# Altium PCB Mainboard_gnd_bak.PcbDoc (part 2 of 2)
Units mm, origin at the board's own origin, x right, y up, seen from the top; angles counter-clockwise.
Board outline 200 x 58.2 mm, 2 copper layers (PWR, GND); 166 components, 194 nets, 633 pads, 65 vias.
Unrouted connection lines stored in the file: 19.
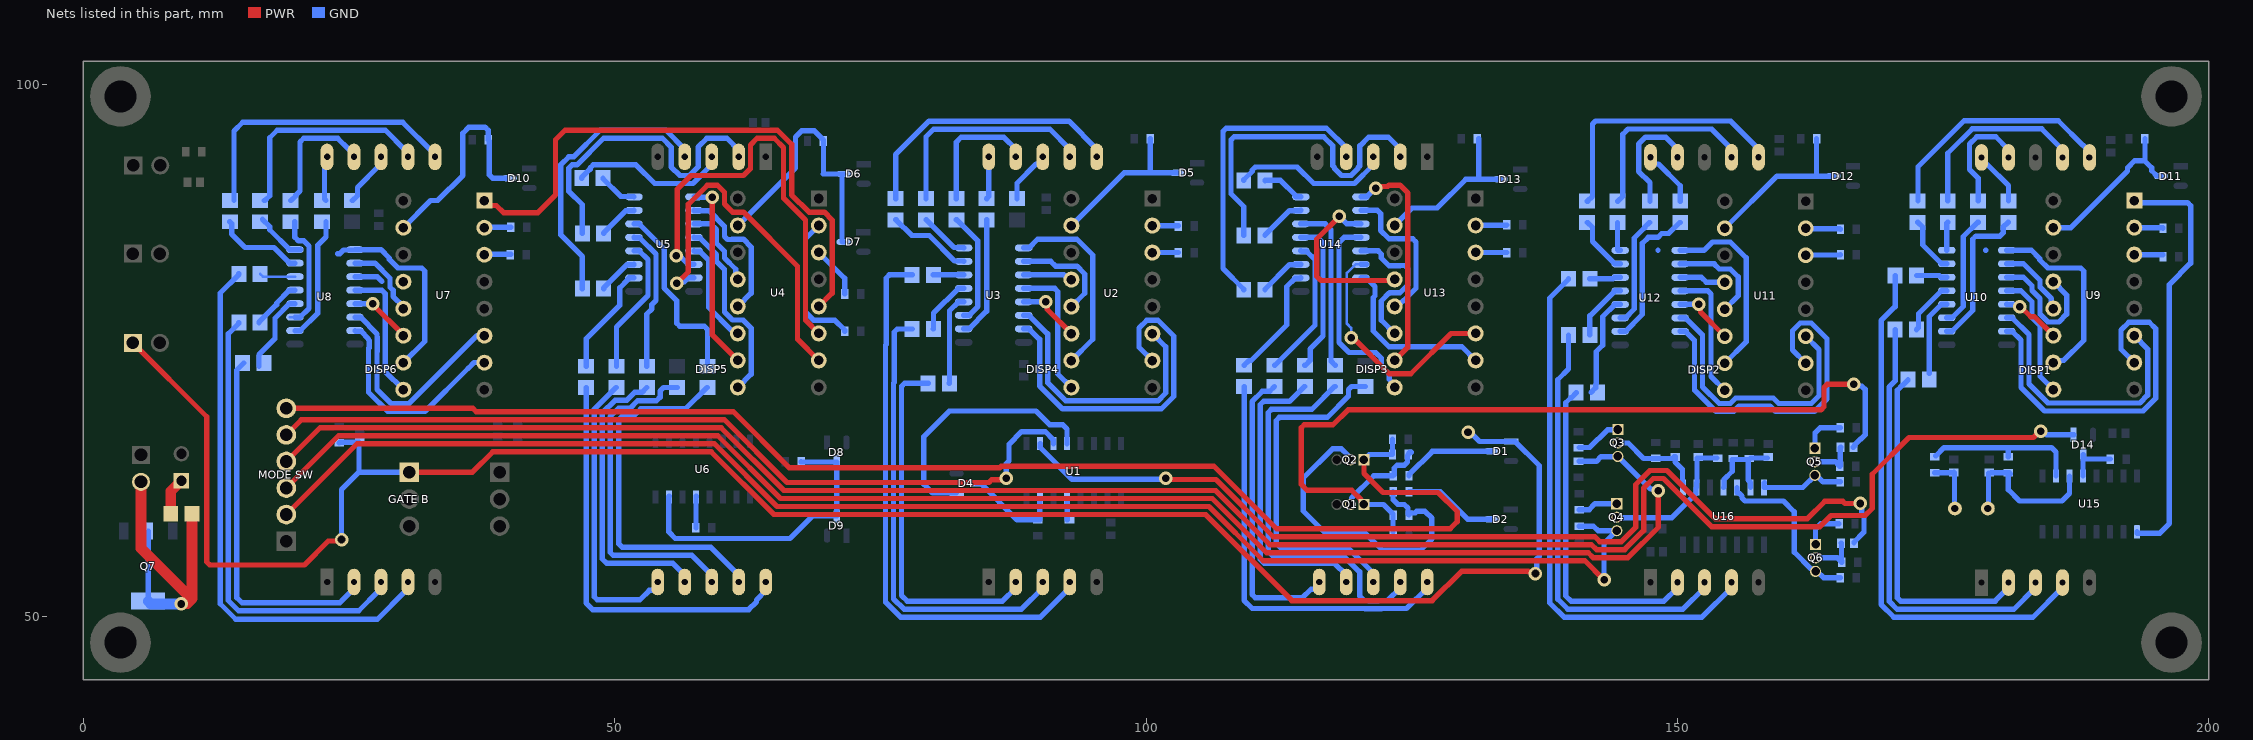
[diagram p2: the nets of this part, all layers, seen from the top]

## Via types
v1: diameter 1.27, hole 0.711, PWR to GND, 65 vias

## Nets (pads, with @x,y where several pads share a name; then routed paths per layer and width w, separated by ;. In a path a pad name is that pad's centre, name@x,y a point inside that pad or via, vN(x,y) a via of type N, cw(c..) or ccw(c..) an arc to the next point about the centre after c; other vN are vias at no path point) (continued)
"NetBramka B test_1": "B SW.1" "GATE B.1" C20.1 D1.1 R94.1 | length 185.8
  PWR w0.5: 4.67,75.7 11.618,68.752 11.618,55.093 11.911,54.8 20.8,54.8 23.053,57.053 24.153,57.053 v1(24.3,57.2) ; 30.68,63.54 36.627,63.54 38.541,65.454 59.081,65.454 64.981,59.554 105.612,59.554 113.72,51.446 126.926,51.446 129.68,54.2 135.971,54.2 136.024,54.147 136.502,54.147 v1(136.649,54)
  GND w0.5: R94.1@24.1,66.3 24.15,66.35 25.93,66.35 25.94,66.34 25.94,63.54 ; v1(24.3,57.2) 24.3,61.9 25.94,63.54 ; 30.68,63.54 25.94,63.54 ; v1(130.3,67.3) 130.489,67.3 131.374,66.415 D1.1@134.353,66.415 134.739,66.415 137.018,64.136 137.018,55.635 136.768,55.385 136.768,54.119 v1(136.649,54)
NetC1_1: C1.1 R69.1 U15.11 Y1.1 | length 14.9
  GND w0.5: Y1.1@179.217,60.117 179.28,60.18 C1.1@179.28,63.454 ; C1.1@179.511,63.482 R69.1@181.147,63.482 ; R69.1@181.347,63.367 181.232,63.482 181.147,63.397 181.147,61.88 182.21,60.817 186.19,60.817 186.9,61.527 U15.11@186.9,63.167
NetC2_1: C2.1 R70.2 Y1.2 | length 5.2
  GND w0.5: R70.2@174.217,63.467 174.242,63.492 175.999,63.492 C2.1@176.024,63.517 ; C2.1@176.071,63.471 176.071,60.163 Y1.2@176.117,60.117
NetC4_2: C4.2 Q5.2 R88.1 | length 4.6
  PWR w0.5: Q5.2@162.843,64.405 Q5.2@162.948,64.51
  GND w0.5: Q5.2@162.948,64.487 Q5.2@162.971,64.51 ; Q5.2@162.948,64.51 Q5.2@162.971,64.51 ; C4.2@165.362,65.887 165.328,65.853 165.328,64.114 R88.1@165.294,64.08 165.294,64.18 165.194,64.28 165.094,64.28 164.864,64.51 Q5.2@162.971,64.51
NetC5_1: C5.1 U1.2 | length 93.3
  PWR w0.5: v1(101.845,62.955) 101.945,62.855 106.577,62.855 111.97,57.462 142.237,57.462 142.698,57.001 144.726,57.001 146.071,58.346 146.071,62.348 147.416,63.693 149.007,63.693 153.539,59.161 162.236,59.161 163.875,60.8 165.565,60.8 165.776,60.589 v1(167.2,60.589)
  GND w0.5: U1.2@90.025,66.225 90.05,66.2 90.05,65.85 93.042,62.858 101.748,62.858 v1(101.845,62.955) ; C5.1@166.615,56.867 166.615,56.942 167.569,57.896 167.569,59.33 167.347,59.552 167.347,60.442 v1(167.2,60.589)
NetC5_2: C5.2 Q6.2 R84.1 | length 4.4
  GND w0.5: Q6.2@163.001,55.47 165.055,55.47 165.265,55.26 165.365,55.26 R84.1@165.44,55.185 ; C5.2@165.415,56.867 165.44,56.842 R84.1@165.44,55.185 ; R84.1@165.465,55.06 165.465,55.16 R84.1@165.44,55.185
NetC6_2: C6.2 R78.2 R81.1 U16.4 U16.6 | length 9.1
  GND w0.5: U16.4@154.343,62.094 154.393,62.144 154.393,62.855 155.161,63.623 155.161,64.723 R81.1@156.661,64.723 ; U16.6@156.883,62.094 156.883,62.569 156.661,62.791 R81.1@156.661,64.723 ; C6.2@158.465,64.873 156.911,64.873 156.761,64.723 R81.1@156.661,64.723
NetC7_2: C7.2 Q3.2 R79.2 U16.1 | length 9.2
  GND w0.5: Q3.2@144.4,66.281 145.378,66.281 146.83,64.83 149.567,64.83 149.721,64.984 C7.2@149.796,64.984 ; C7.2@149.671,64.884 149.796,64.759 149.796,64.487 150.483,63.8 U16.1@150.483,62.569 ; U16.1@150.533,62.094 U16.1@150.533,62.569
NetC8_2: C8.2 Q4.2 R83.2 U16.2 | length 13.7
  GND w0.5: Q4.2@144.3,59.3 144.34,59.26 149.487,59.26 151.753,61.526 151.753,62.044 U16.2@151.803,62.094 151.803,62.569 151.853,62.619 151.853,64.873 R83.2@153.738,64.873
NetD3_1: D3.1 R92.1 | length 3.5
  PWR w1: R92.1@8.23,59.621 8.23,61.73 D3.1@9.23,62.73
NetD4_1: D4.1 U1.4 | length 24.4
  GND w0.5: D4.1@82.173,61.585 79.915,61.585 79.1,62.4 79.1,66.9 81.5,69.3 89.636,69.3 90.952,67.984 92.181,67.984 92.565,67.6 U1.4@92.565,66.225
NetD4_3: D4.3 R2.1 U1.15 | length 9.7
  GND w0.5: D4.3@84.027,62.5 84.413,62.5 87.863,59.05 90,59.05 90.012,59.062 90.012,60.625 90.012,60.962 U1.15@90.025,60.975 U1.15@90.025,60.625
NetD5_3: D5.3 R11.1 U2.15 | length 15.2
  GND w0.5: U2.15@92.98,86.74 97.94,91.7 100.444,91.7 ; R11.1@100.4,94.9 100.4,91.744 100.444,91.7 ; D5.3@102.949,91.7 100.444,91.7
NetD6_3: D6.3 D7.3 R21.1 U4.15 | length 25.5
  GND w0.5: U4.15@61.59,86.75 67.016,92.176 67.016,95.078 67.591,95.654 68.796,95.654 69.65,94.8 69.65,91.6 ; 69.6,91.6 D6.3@71.573,91.6 ; D6.3@71.44,91.6 71.4,91.56 71.4,85.24 71.44,85.2 D7.3@71.559,85.2
NetD8_3: D8.3 D9.3 R26.1 U6.15 | length 28.7
  GND w0.5: U6.15@55.125,61.275 55.1,61.25 55.1,57.9 55.7,57.3 66.5,57.3 68.627,59.427 D9.3@70.9,59.427 D8.3@70.9,64.473 70.887,64.487 67.563,64.487 R26.1@67.55,64.5 R26.1@67.538,64.512
NetD10_3: D10.3 R35.1 U7.15 | length 20.2
  GND w0.5: U7.15@30.123,86.54 32.683,89.1 33.344,89.1 35.712,91.468 35.712,95.431 36.281,96 37.801,96 38.093,95.707 R35.1@38.093,94.8 ; R35.1@38.193,94.696 38.193,94.323 38.21,94.307 38.21,91.493 38.503,91.2 D10.3@39.867,91.2
NetD11_3: D11.3 R45.1 U9.15 | length 15.7
  GND w0.5: U9.15@185.38,86.547 187.024,86.547 192.361,91.884 192.361,92.172 193.028,92.839 193.972,92.839 194.639,92.172 194.639,91.899 195.138,91.4 D11.3@195.5,91.4 ; 194,92.811 R45.1@194,94.9
NetD12_3: D12.3 R55.1 U11.15 | length 15.7
  GND w0.5: U11.15@154.461,86.485 159.37,91.394 163.1,91.394 ; R55.1@163.1,94.9 163.1,91.394 ; D12.3@164.668,91.394 163.1,91.394
NetD13_3: D13.3 R65.1 U13.15 | length 15.6
  GND w0.5: U13.15@123.39,86.75 125.04,88.4 127.4,88.4 130.1,91.1 131.3,91.1 ; R65.1@131.3,94.9 131.3,91.1 ; D13.3@133.359,91.1 131.3,91.1
NetD14_1: "MODE SW.4" D14.1 | length 187
  PWR w0.5: 19.1,64.546 22.27,67.716 60.018,67.716 65.918,61.816 106.549,61.816 111.657,56.708 141.925,56.708 142.386,56.247 145.039,56.247 146.825,58.034 146.825,62.036 147.728,62.939 148.695,62.939 153.227,58.407 163.407,58.407 164.45,59.45 167.672,59.45 168.339,60.117 168.339,63.339 171.8,66.8 183.51,66.8 184.116,67.407 v1(184.188,67.407)
  GND w0.5: v1(184.188,67.407) 184.396,67.407 184.749,67.054 D14.1@187.285,67.054
NetD14_3: D14.3 R71.1 U15.12 | length 4.8
  GND w0.5: U15.12@188.17,63.167 D14.3@188.17,64.983 ; D14.3@188.2,65.201 188.2,64.838 188.267,64.771 R71.1@190.754,64.771
NetDISP1_2: DISP1.2 R41.2 | length 32.7
  GND w0.5: R41.2@171.7,72.247 171.7,72.197 171.25,71.747 171.2,71.747 170.7,71.247 170.7,51.693 170.998,51.395 179.424,51.395 179.429,51.4 179.903,51.4 181.13,52.627 DISP1.2@181.13,53.277
NetDISP1_3: DISP1.3 R40.2 | length 41.3
  GND w0.5: R40.2@170.496,76.947 170.496,72.109 169.931,71.544 169.931,51.396 170.685,50.641 181.685,50.641 183.67,52.627 DISP1.3@183.67,53.277
NetDISP1_4: DISP1.4 R39.2 | length 50.8
  GND w0.5: R39.2@170.496,82.047 170.496,79.109 169.177,77.791 169.177,51.083 170.373,49.887 183.471,49.887 186.21,52.627 DISP1.4@186.21,53.277
NetDISP1_6: DISP1.6 R38.2 | length 22.8
  GND w0.5: R38.2@172.641,89.047 172.641,92.275 176.974,96.608 185.838,96.608 188.168,94.277 188.233,94.277 188.75,93.761 DISP1.6@188.75,93.277
NetDISP1_7: DISP1.7 R37.2 | length 17.7
  GND w0.5: R37.2@175.446,89.047 175.446,93.546 177.754,95.854 184.283,95.854 186.21,93.927 DISP1.7@186.21,93.277
NetDISP1_9: DISP1.9 R42.2 | length 10.8
  GND w0.5: R42.2@178.3,89.047 178.3,91.2 177.486,92.014 177.486,94.407 178.179,95.1 179.957,95.1 181.13,93.927 DISP1.9@181.13,93.277
NetDISP1_10: DISP1.10 R43.2 | length 5.4
  GND w0.5: DISP1.10@178.59,93.277 178.59,92.816 178.913,92.493 179.158,92.493 181.154,90.497 R43.2@181.154,89.047
NetDISP2_2: DISP2.2 R51.2 | length 31.4
  GND w0.5: R51.2@140.471,71.035 140.471,70.985 140.021,70.535 139.971,70.535 139.5,70.064 139.5,51.9 140,51.4 148.74,51.4 150.002,52.662 DISP2.2@150.002,53.312
NetDISP2_3: DISP2.3 R50.2 | length 40.9
  GND w0.5: R50.2@139.763,76.435 139.763,73.254 138.746,72.237 138.746,51.588 139.688,50.646 150.526,50.646 152.542,52.662 DISP2.3@152.542,53.312
NetDISP2_4: DISP2.4 R49.2 | length 50.7
  GND w0.5: R49.2@139.763,81.735 139.763,81.685 137.992,79.914 137.992,51.238 139.338,49.892 152.312,49.892 155.082,52.662 DISP2.4@155.082,53.312
NetDISP2_6: DISP2.6 R48.2 | length 24.9
  GND w0.5: R48.2@141.509,89.035 141.559,89.035 142.009,89.485 142.009,96.281 142.302,96.574 155.01,96.574 157.622,93.962 DISP2.6@157.622,93.312
NetDISP2_7: DISP2.7 R47.2 | length 18.4
  GND w0.5: R47.2@144.363,89.035 144.413,89.035 144.863,89.485 144.863,95.327 145.356,95.82 153.224,95.82 155.082,93.962 DISP2.7@155.082,93.312
NetDISP2_9: DISP2.9 R52.2 | length 10.8
  GND w0.5: R52.2@147.417,89.035 147.417,90.783 146.358,91.842 146.358,94.419 147.005,95.066 148.898,95.066 150.002,93.962 DISP2.9@150.002,93.312
NetDISP2_10: DISP2.10 R53.2 | length 5.7
  GND w0.5: DISP2.10@147.462,93.312 147.462,92.852 147.785,92.528 148.229,92.528 150.271,90.485 R53.2@150.271,89.035
NetDISP3_2: DISP3.2 R58.2 | length 32
  GND w0.5: R58.2@109.2,85.8 109.2,88.527 107.996,89.731 107.996,94.807 108.289,95.1 116.72,95.1 117.578,94.241 117.578,92.359 117.744,92.193 117.744,92.093 118.391,91.446 119.306,91.446 119.952,92.093 119.952,92.193 120.118,92.359 120.118,94.241 120.931,95.054 122.824,95.054 123.928,93.95 DISP3.2@123.928,93.3
NetDISP3_3: DISP3.3 R57.2 | length 15
  GND w0.5: R57.2@109.2,91 109.2,91.05 109.996,91.846 109.996,91.959 110.291,92.254 114.224,92.254 115.786,90.692 119.618,90.692 121.388,92.462 DISP3.3@121.388,93.3
NetDISP3_4: DISP3.4 R62.2 | length 28.9
  GND w0.5: R62.2@109.2,80.7 109.2,80.75 107.242,82.708 107.242,95.604 107.535,95.896 116.989,95.896 118.848,94.038 DISP3.4@118.848,93.3
NetDISP3_6: DISP3.6 R61.2 | length 28.2
  GND w0.5: R61.2@112.091,71.6 111.641,71.15 110.95,71.15 109.991,70.191 109.991,52.026 110.284,51.733 114.741,51.733 115.524,52.516 115.985,52.516 116.308,52.839 DISP3.6@116.308,53.3
NetDISP3_7: DISP3.7 R60.2 | length 28.7
  GND w0.5: R60.2@114.946,71.6 114.896,71.6 113.496,70.2 111.066,70.2 110.745,69.879 110.745,55.347 111.138,54.954 117.744,54.954 118.848,53.85 DISP3.7@118.848,53.3
NetDISP3_8: DISP3.8 R68.2 | length 32.7
  GND w0.5: R68.2@120.654,71.6 119.347,71.6 119.054,71.307 119.054,70.691 117.055,68.692 112.546,68.692 112.253,68.399 112.253,56.855 112.646,56.462 118.964,56.462 121.388,54.038 DISP3.8@121.388,53.3
NetDISP3_9: DISP3.9 R59.2 | length 37.2
  GND w0.5: R59.2@117.8,71.6 117.75,71.6 115.596,69.446 111.792,69.446 111.499,69.153 111.499,56.101 111.892,55.708 118.552,55.708 120.1,54.16 120.1,51.893 120.539,51.454 120.923,51.454 120.931,51.446 121.846,51.446 121.854,51.454 122.732,51.454 123.928,52.65 DISP3.9@123.928,53.3
NetDISP3_10: DISP3.10 R63.2 | length 39.1
  GND w0.5: R63.2@109.237,71.6 109.237,51.463 110,50.7 120.611,50.7 120.619,50.692 122.158,50.692 122.166,50.7 124.518,50.7 126.468,52.65 DISP3.10@126.468,53.3
NetDISP4_2: DISP4.2 R7.2 | length 34.4
  GND w0.5: R7.2@79.5,71.9 77.293,71.9 77,71.607 77,51.933 77.533,51.4 86.49,51.4 87.74,52.65 DISP4.2@87.74,53.3
NetDISP4_3: DISP4.3 R6.2 | length 42.8
  GND w0.5: R6.2@77.991,77 76.607,77 76.314,76.707 76.314,71.988 76.246,71.919 76.246,51.62 77.22,50.646 88.276,50.646 90.28,52.65 DISP4.3@90.28,53.3
NetDISP4_4: DISP4.4 R5.2 | length 52.8
  GND w0.5: R5.2@77.991,82.1 75.853,82.1 75.56,81.807 75.56,75.565 75.492,75.497 75.492,51.308 76.908,49.892 90.062,49.892 92.82,52.65 DISP4.4@92.82,53.3
NetDISP4_6: DISP4.6 R4.2 | length 26.1
  GND w0.5: R4.2@76.444,89.274 76.446,89.277 76.446,93.412 79.596,96.562 92.748,96.562 95.36,93.95 DISP4.6@95.36,93.3
NetDISP4_7: DISP4.7 R3.2 | length 21.1
  GND w0.5: R3.2@79.298,89.274 79.298,95.098 80.008,95.808 85.97,95.808 85.978,95.8 90.97,95.8 92.82,93.95 DISP4.7@92.82,93.3
NetDISP4_8: DISP4.8 R23.2 | length 5.2
  GND w0.5: R23.2@87.861,89.274 87.861,90.724 89.653,92.516 89.957,92.516 90.28,92.839 DISP4.8@90.28,93.3
NetDISP4_9: DISP4.9 R8.2 | length 12.2
  GND w0.5: R8.2@82.152,89.274 82.152,94.607 82.599,95.054 85.657,95.054 85.665,95.046 86.644,95.046 87.74,93.95 DISP4.9@87.74,93.3
NetDISP4_10: DISP4.10 R9.2 | length 4.1
  GND w0.5: R9.2@85.006,89.274 85.2,89.468 DISP4.10@85.2,93.3
NetDISP5_2: DISP5.2 R14.2 | length 30
  GND w0.5: R14.2@46.962,86 46.962,88.696 45.696,89.962 45.696,92.159 45.991,92.454 46.456,92.454 48.956,94.954 54.509,94.954 55.322,94.141 55.322,92.259 56.134,91.446 57.049,91.446 57.862,92.259 57.862,94.141 58.674,94.954 60.568,94.954 61.672,93.85 DISP5.2@61.672,93.2
NetDISP5_3: DISP5.3 R13.2 | length 15
  GND w0.5: R13.2@46.9,91.2 46.9,91.25 47.696,92.046 47.696,92.159 47.991,92.454 52.016,92.454 53.778,90.692 57.361,90.692 59.132,92.462 DISP5.3@59.132,93.2
NetDISP5_4: DISP5.4 R18.2 | length 27
  GND w0.5: R18.2@46.962,80.8 46.962,83.837 44.942,85.857 44.942,92.471 45.679,93.208 46.144,93.208 48.644,95.708 54.821,95.708 56.592,93.938 DISP5.4@56.592,93.2
NetDISP5_6: DISP5.6 R17.2 | length 27.6
  GND w0.5: R17.2@50.171,71.5 50.121,71.5 48.07,69.45 48.07,51.822 48.363,51.529 52.381,51.529 53.268,52.416 53.728,52.416 54.052,52.739 DISP5.6@54.052,53.2
NetDISP5_7: DISP5.7 R16.2 | length 28
  GND w0.5: R16.2@53.025,71.5 52.575,71.05 51.884,71.05 51.13,70.296 50.033,70.296 48.824,69.087 48.824,55.393 49.263,54.954 55.488,54.954 56.592,53.85 DISP5.7@56.592,53.2
NetDISP5_8: DISP5.8 R24.2 | length 31.6
  GND w0.5: R24.2@55.879,71.5 54.6,71.5 54.279,71.179 54.279,70.591 53.942,70.254 52.154,70.254 51.442,69.542 50.365,69.542 49.578,68.756 49.578,56.001 49.871,55.708 57.274,55.708 59.132,53.85 DISP5.8@59.132,53.2
NetDISP5_9: DISP5.9 R15.2 | length 34.4
  GND w0.5: R15.2@58.734,71.5 58.684,71.5 56.684,69.5 52.466,69.5 51.754,68.788 50.693,68.788 50.4,68.495 50.4,56.778 50.693,56.485 59.037,56.485 61.672,53.85 DISP5.9@61.672,53.2
NetDISP5_10: DISP5.10 R19.2 | length 39.1
  GND w0.5: R19.2@47.316,71.5 47.316,51.216 47.933,50.6 62.607,50.6 63.342,51.335 63.342,51.51 64.212,52.379 DISP5.10@64.212,53.2
NetDISP6_2: DISP6.2 R31.2 | length 34.4
  GND w0.5: R31.2@15.1,73.8 14.443,73.143 14.443,51.733 14.93,51.246 24.139,51.246 24.451,51.558 25.243,52.35 DISP6.2@25.243,53
NetDISP6_3: DISP6.3 R30.2 | length 42.5
  GND w0.5: R30.2@14.643,77.6 14.643,77.55 13.643,76.55 13.643,71 13.639,70.751 13.639,51.47 13.786,51.324 14.618,50.492 25.925,50.492 27.783,52.35 DISP6.3@27.783,53
NetDISP6_4: DISP6.4 R29.2 | length 51.6
  GND w0.5: R29.2@14.643,82.2 14.643,82.15 12.885,80.392 12.885,51.158 14.343,49.7 27.673,49.7 30.323,52.35 DISP6.4@30.323,53
NetDISP6_6: DISP6.6 R28.2 | length 27.4
  GND w0.5: R28.2@14.189,89.1 14.189,95.646 15.005,96.462 30.051,96.462 32.863,93.65 DISP6.6@32.863,93
NetDISP6_7: DISP6.7 R27.2 | length 20.8
  GND w0.5: R27.2@17.043,89.1 17.093,89.1 17.543,89.55 17.543,95 18.251,95.708 28.435,95.708 30.323,93.82 DISP6.7@30.323,93
NetDISP6_8: DISP6.8 R67.2 | length 5
  GND w0.5: R67.2@25.298,89.1 25.348,89.1 25.798,89.55 25.798,90.328 27.791,92.321 DISP6.8@27.791,92.992
NetDISP6_9: DISP6.9 R32.2 | length 12.2
  GND w0.5: R32.2@19.498,89.1 19.548,89.1 19.998,89.55 19.998,89.6 20.398,90 20.398,94.607 20.745,94.954 23.939,94.954 24.91,93.984 25.157,93.984 25.243,93.897 DISP6.9@25.243,93
NetDISP6_10: DISP6.10 R33.2 | length 4
  GND w0.5: DISP6.10@22.703,93 22.703,89.24 R33.2@22.843,89.1
"NetPrelacznik trybu_2": "MODE SW.2" Q4.3 R85.1 | length 140.9
  PWR w0.5: 19.1,59.546 25.762,66.208 59.393,66.208 65.293,60.308 105.925,60.308 111.033,55.2 141.3,55.2 v1(143.1,53.4)
  GND w0.5: R85.1@140.774,58.45 142.11,58.45 142.53,58.03 Q4.3@144.3,58.03 143.1,56.83 v1(143.1,53.4)
"NetPrelacznik trybu_3": "MODE SW.3" Q3.3 R82.1 | length 149.5
  PWR w0.5: 19.1,62.046 24.016,66.962 59.705,66.962 65.605,61.062 106.237,61.062 111.345,55.954 141.612,55.954 142.073,55.493 145.351,55.493 148.2,58.342 v1(148.2,61.8)
  GND w0.5: R82.1@140.771,64.55 140.971,64.55 142.381,64.55 142.827,64.996 144.385,64.996 Q3.3@144.4,65.011 147.464,61.947 148.053,61.947 v1(148.2,61.8)
"NetPrelacznik trybu_5": "MODE SW.5" U1.3 | length 79.6
  PWR w0.5: 19.1,67.046 20.524,68.47 60.33,68.47 66.23,62.57 85.209,62.57 85.459,62.82 86.709,62.82 v1(86.844,62.955)
  GND w0.5: v1(86.844,62.955) 86.85,62.961 86.85,64.34 87.1,64.59 87.1,66.154 88.3,67.354 90.516,67.354 91.295,66.575 U1.3@91.295,66.225
NetQ1_2: Q1.2 R74.1 R76.2 | length 8.8
  GND w0.5: Q1.2@119.23,60.5 119.335,60.605 119.335,61.098 121.437,63.2 R76.2@123.25,63.2 123.35,63.3 123.35,63.907 123.643,64.2 124.307,64.2 124.6,64.493 124.6,65.103 R74.1@124.697,65.2 124.697,65.3 124.797,65.4 R74.1@124.955,65.4
NetQ2_2: Q2.2 R75.2 R77.2 | length 31
  GND w0.5: Q2.2@119.242,64.7 119.242,64.849 119.001,65.09 119.001,65.126 118.399,65.729 117.546,65.729 114.8,62.983 114.8,59.9 116.73,57.97 120.482,57.97 122.26,56.192 125.853,56.192 126.9,57.239 126.9,59.207 126.253,59.854 125.488,59.854 125.334,59.7 124.85,59.7 124.75,59.6 R75.2@124.75,59.5 124.65,59.6 124.65,60.15 124.3,60.5 123.7,60.5 123.25,60.95 R77.2@123.25,61.7
NetQ3_1: Q3.1 R86.2 | length 4.3
  GND w0.5: R86.2@140.771,65.85 141.748,65.85 143.418,67.52 144.369,67.52 Q3.1@144.4,67.551
NetQ4_1: Q4.1 R90.2 | length 3.8
  GND w0.5: R90.2@140.774,60.004 141.698,60.004 142.264,60.57 Q4.1@144.3,60.57
NetQ5_1: Q5.1 R80.2 | length 4
  GND w0.5: Q5.1@162.948,65.78 162.948,67.239 163.415,67.706 R80.2@165.315,67.706
NetQ5_3: Q5.3 R87.1 U16.7 | length 8.2
  GND w0.5: U16.7@158.203,62.54 158.153,62.49 U16.7@158.153,62.094 161.802,62.094 Q5.3@162.948,63.24 ; Q5.3@163.119,63.217 163.711,62.626 R87.1@165.315,62.626
NetQ6_1: Q6.1 R89.2 | length 3.9
  GND w0.5: Q6.1@163.001,56.74 163.001,58.192 163.481,58.672 R89.2@165.215,58.672
NetQ6_3: Q6.3 R91.1 U16.5 | length 15.8
  GND w0.5: U16.5@155.613,62.094 155.613,61.619 155.663,61.569 155.786,61.569 156.079,61.276 156.079,61.11 156.374,60.815 159.985,60.815 161,59.8 161,56.015 162.574,54.441 162.611,54.441 162.852,54.2 Q6.3@163.001,54.2 163.149,54.2 163.744,53.606 R91.1@165.315,53.606
NetQ7_2: PWR.2 Q7.2 Q7.4 R92.2 | length 31.6
  PWR w1: PWR.2@5.43,62.63 5.43,56.37 9.95,51.85 ; v1(9.232,51.132) 9.284,51.184 9.771,51.184 10.23,51.643 R92.2@10.23,59.621
  GND w0.5: Q7.4@6.101,51.401 Q7.2@6.101,57.999
  GND w1: Q7.4@6.1,51.4 6.368,51.132 v1@9.159,51.132
NetR1_1: R1.1 U1.13 | length 2.3
  GND w0.5: U1.13@92.565,60.625 U1.13@92.565,60.975 92.582,60.957 92.582,59.067 R1.1@92.6,59.05
NetR3_1: R3.1 U3.16 | length 4.6
  GND w0.5: R3.1@79.298,87.274 79.348,87.274 81.949,84.674 82.817,84.674 U3.16@82.846,84.645
NetR4_1: R4.1 U3.15 | length 8
  GND w0.5: R4.1@76.444,87.274 76.494,87.274 77.968,85.8 79.6,85.8 81.996,83.404 82.817,83.404 U3.15@82.846,83.375
NetR5_1: R5.1 U3.14 | length 2.9
  GND w0.5: R5.1@79.991,82.1 79.996,82.105 U3.14@82.846,82.105
NetR6_1: R6.1 U3.13 | length 5.3
  GND w0.5: R6.1@79.991,77 80.011,77.019 80.011,78.5 82.346,80.835 U3.13@82.846,80.835
NetR7_1: R7.1 U3.12 | length 8.5
  GND w0.5: R7.1@81.5,71.9 81.509,71.909 81.509,78.728 82.346,79.565 U3.12@82.846,79.565
NetR8_1: R8.1 U3.11 | length 10.7
  GND w0.5: R8.1@82.152,87.274 82.202,87.274 84.175,85.302 84.175,79.124 83.346,78.295 U3.11@82.846,78.295
NetR9_1: R9.1 U3.10 | length 11.4
  GND w0.5: U3.10@82.846,77.025 83.346,77.025 85.006,78.686 R9.1@85.006,87.274
NetR10_1: R10.1 U2.2 | length 2.5
  GND w0.5: U2.2@100.6,86.74 100.62,86.72 103.03,86.72 R10.1@103.05,86.7
NetR12_1: R12.1 U2.3 | length 2.5
  GND w0.5: U2.3@100.6,84.2 R12.1@103.05,84.2
NetR13_1: R13.1 U5.16 | length 3.7
  GND w0.5: R13.1@48.9,91.2 48.9,91.15 50.581,89.469 51.788,89.469 U5.16@51.816,89.44
NetR14_1: R14.1 U5.15 | length 3.8
  GND w0.5: R14.1@48.962,86 48.962,86.05 51.054,88.141 51.788,88.141 U5.15@51.816,88.17
NetR15_1: R15.1 U5.14 | length 17.9
  GND w0.5: U5.14@51.816,86.9 52.316,86.9 54.653,84.563 54.653,80.875 55.839,79.689 55.839,77.559 56.132,77.266 58.441,77.266 58.734,76.974 R15.1@58.734,73.5
NetR16_1: R16.1 U5.13 | length 13.6
  GND w0.5: U5.13@51.816,85.63 51.865,85.581 52.365,85.581 53.899,84.047 53.899,82.594 53.899,79.699 53.5,79.3 53.5,78.886 53.025,78.411 R16.1@53.025,73.5
NetR17_1: R17.1 U5.12 | length 12.9
  GND w0.5: R17.1@50.171,73.5 50.171,77.204 53.145,80.179 53.145,83.531 52.316,84.36 U5.12@51.816,84.36
NetR18_1: R18.1 U5.11 | length 3.8
  GND w0.5: R18.1@48.962,80.8 48.962,80.85 51.174,83.061 51.788,83.061 U5.11@51.816,83.09
NetR19_1: R19.1 U5.10 | length 10.5
  GND w0.5: R19.1@47.316,73.5 47.316,76.083 50.487,79.254 50.487,80.893 51.241,81.647 51.241,81.704 51.357,81.82 U5.10@51.816,81.82
NetR20_1: R20.1 U4.2 | length 13.4
  GND w0.5: U4.2@69.21,86.479 U4.2@69.21,86.75 67.956,85.496 67.956,78.611 68.723,77.844 70.706,77.844 71.65,76.9 R20.1@71.65,76.8
NetR22_1: R22.1 U4.3 | length 4.9
  GND w0.5: U4.3@69.21,84.21 71.65,81.77 R22.1@71.65,80.3
NetR25_1: R25.1 U6.13 | length 3
  GND w0.5: R25.1@57.65,58.3 57.658,58.307 57.658,61.197 U6.13@57.665,61.204 U6.13@57.665,61.275
NetR27_1: R27.1 U8.16 | length 4.9
  GND w0.5: R27.1@16.868,87.325 17.543,86.65 17.543,86.346 19.418,84.471 U8.16@19.918,84.471 U8.16@20.418,84.471
NetR28_1: R28.1 U8.15 | length 8.3
  GND w0.5: R28.1@13.789,87.1 13.957,86.932 13.957,85.943 15.223,84.677 17.942,84.677 19.418,83.201 U8.15@19.918,83.201
NetR29_1: R29.1 U8.14 | length 3.4
  GND w0.254: R29.1@16.643,82.2 16.913,81.931 U8.14@19.918,81.931
NetR30_1: R30.1 U8.13 | length 4.8
  GND w0.5: R30.1@16.543,77.6 16.543,77.65 18.192,79.298 18.192,79.434 19.418,80.661 U8.13@19.918,80.661
NetR31_1: R31.1 U8.12 | length 7.4
  GND w0.5: R31.1@16.543,73.5 R31.1@16.543,74.4 ; 16.543,74.6 18.043,76.1 18.043,78.016 19.418,79.391 U8.12@19.918,79.391
NetR32_1: R32.1 U8.11 | length 11.2
  GND w0.254: U8.11@19.418,78.121 U8.11@19.918,78.121
  GND w0.5: R32.1@19.898,87.1 19.898,85.65 20.248,85.3 20.762,85.3 21.247,84.814 21.247,78.95 20.418,78.121 U8.11@19.918,78.121
NetR33_1: R33.1 U8.10 | length 11.8
  GND w0.5: U8.10@19.918,76.851 20.418,76.851 22.05,78.483 22.05,84.884 22.843,85.677 R33.1@22.843,87.1
NetR34_1: R34.1 U7.2 | length 2.5
  GND w0.5: U7.2@37.743,86.54 37.773,86.57 40.213,86.57 R34.1@40.243,86.6
NetR36_1: R36.1 U7.3 | length 2.5
  GND w0.5: U7.3@37.743,84 37.793,84.05 R36.1@40.243,84.05
NetR37_1: R37.1 U10.16 | length 2.7
  GND w0.5: U10.16@175.35,84.417 175.35,86.951 R37.1@175.446,87.047
NetR38_1: R38.1 U10.15 | length 5.4
  GND w0.5: R38.1@172.591,87.047 172.641,87.047 173.091,86.597 173.091,84.906 174.85,83.147 U10.15@175.35,83.147
NetR39_1: R39.1 U10.14 | length 2.9
  GND w0.5: R39.1@172.496,82.047 174.64,82.047 174.809,81.877 U10.14@175.35,81.877
NetR40_1: R40.1 U10.13 | length 5.1
  GND w0.5: R40.1@172.496,76.947 172.689,77.14 172.689,78.447 174.85,80.607 U10.13@175.35,80.607
NetR41_1: R41.1 U10.12 | length 7.5
  GND w0.5: R41.1@173.7,72.846 173.7,78.187 174.85,79.337 U10.12@175.35,79.337
NetR42_1: R42.1 U10.11 | length 10.5
  GND w0.5: U10.11@175.35,78.067 175.85,78.067 176.9,79.117 176.9,85.697 178.25,87.047 R42.1@178.3,87.047
NetR43_1: R43.1 U10.10 | length 14.3
  GND w0.5: U10.10@175.35,76.797 175.85,76.797 177.8,78.747 177.8,85.454 178.093,85.747 180.361,85.747 180.654,86.04 180.654,86.597 181.104,87.047 R43.1@181.154,87.047
NetR44_1: R44.1 U9.2 | length 2.7
  GND w0.5: U9.2@193,86.547 193.023,86.523 195.677,86.523 R44.1@195.7,86.5
NetR46_1: R46.1 U9.3 | length 2.7
  GND w0.5: U9.3@193.02,84.027 U9.3@193,84.007 193.003,84.003 195.697,84.003 R46.1@195.7,84
NetR47_1: R47.1 U12.16 | length 2.8
  GND w0.5: R47.1@144.363,87.035 144.363,84.475 144.432,84.406 U12.16@144.617,84.406
NetR48_1: R48.1 U12.15 | length 5.5
  GND w0.5: R48.1@141.509,87.035 141.559,87.035 142.009,86.585 142.009,85.245 144.117,83.136 U12.15@144.617,83.136
NetR49_1: R49.1 U12.14 | length 2.9
  GND w0.5: R49.1@141.763,81.735 143.946,81.735 144.077,81.866 U12.14@144.617,81.866
NetR50_1: R50.1 U12.13 | length 5.6
  GND w0.5: R50.1@141.763,76.435 141.763,78.242 144.117,80.596 U12.13@144.617,80.596
NetR51_1: R51.1 U12.12 | length 9.7
  GND w0.5: R51.1@141.871,71.035 142.321,71.485 142.321,71.778 142.371,71.828 142.371,74.881 142.98,75.49 142.98,78.189 144.117,79.326 U12.12@144.617,79.326
NetR52_1: R52.1 U12.11 | length 10.5
  GND w0.5: U12.11@144.617,78.056 145.117,78.056 145.946,78.885 145.946,85.564 146.917,86.535 146.917,86.585 147.367,87.035 R52.1@147.417,87.035
NetR53_1: R53.1 U12.10 | length 13.8
  GND w0.5: U12.10@144.617,76.786 145.117,76.786 146.7,78.369 146.7,85.064 147.271,85.635 148.18,85.635 148.534,85.989 149.175,85.989 150.221,87.035 R53.1@150.271,87.035
NetR54_1: R54.1 U11.2 | length 3.3
  GND w0.5: U11.2@162.081,86.485 162.124,86.443 165.307,86.443 R54.1@165.35,86.4
NetR56_1: R56.1 U11.3 | length 3.3
  GND w0.5: U11.3@162.086,83.94 U11.3@162.081,83.945 162.109,83.973 165.323,83.973 R56.1@165.35,84
NetR57_1: R57.1 U14.16 | length 4.1
  GND w0.5: R57.1@111.2,90.95 R57.1@111.2,91 112.65,91 114.046,89.604 114.046,89.514 114.116,89.445 U14.16@114.575,89.445
NetR58_1: R58.1 U14.15 | length 4.4
  GND w0.5: R58.1@111.2,85.8 111.2,85.85 113.496,88.146 114.546,88.146 U14.15@114.575,88.175
NetR59_1: R59.1 U14.14 | length 16
  GND w0.5: U14.14@114.575,86.905 116.853,86.905 117.412,86.346 117.412,73.988 R59.1@117.8,73.6
NetR60_1: R60.1 U14.13 | length 14.6
  GND w0.5: U14.13@114.575,85.635 116.15,85.635 116.658,85.127 116.658,76.346 115.446,75.133 115.446,74.05 114.996,73.6 R60.1@114.946,73.6
NetR61_1: R61.1 U14.12 | length 13.2
  GND w0.5: R61.1@112.091,73.6 112.141,73.6 115.904,77.363 115.904,83.536 115.124,84.316 114.624,84.316 U14.12@114.575,84.365
NetR62_1: R62.1 U14.11 | length 4.9
  GND w0.5: R62.1@111.2,80.7 111.2,80.75 113.516,83.066 114.546,83.066 U14.11@114.575,83.095 U14.11@114.075,83.095
NetR63_1: R63.1 U14.10 | length 10.9
  GND w0.5: R63.1@109.237,73.6 109.687,74.05 109.907,74.05 113.246,77.389 113.246,80.996 114.026,81.776 114.526,81.776 U14.10@114.575,81.825
NetR64_1: R64.1 U13.2 | length 3
  GND w0.5: U13.2@131.01,86.75 131.035,86.775 133.925,86.775 R64.1@133.95,86.8
NetR66_1: R66.1 U13.3 | length 2.9
  GND w0.5: U13.3@131.01,84.21 131.015,84.205 133.945,84.205 R66.1@133.95,84.2
NetR69_2: R69.2 R70.1 U15.10 | length 15
  GND w0.5: R70.1@174.317,65.067 175.096,65.846 181.117,65.846 ; R69.2@181.147,64.967 181.147,65.816 181.117,65.846 ; U15.10@185.63,63.167 185.63,65.417 185.201,65.846 181.117,65.846
NetU2_6: U2.6 U3.6 | length 25.8
  GND w0.5: U3.6@88.496,78.295 88.996,78.295 90.743,76.548 90.743,71.964 92.461,70.246 101.119,70.246 101.854,70.981 101.854,75.326 U2.6@100.6,76.58
NetU2_7: U2.7 U3.7 | length 33.7
  GND w0.5: U3.7@88.496,77.025 88.996,77.025 89.989,76.032 89.989,71.652 92.148,69.492 101.432,69.492 102.608,70.668 102.608,76.345 101.119,77.834 100.081,77.834 99.346,77.099 99.346,75.294 U2.7@100.6,74.04
NetU2_9: U2.9 U3.4 | length 12.9
  GND w0.5: U3.4@88.496,80.835 91.407,80.835 91.7,80.542 91.7,72.78 U2.9@92.98,71.5
NetU2_10: U2.10 U3.1 | length 18.2
  GND w0.5: U3.1@88.496,84.645 88.996,84.645 89.805,85.454 93.499,85.454 94.988,83.965 94.988,76.048 U2.10@92.98,74.04
NetU2_11: U2.11 U3.5 | length 6.1
  PWR w0.5: v1(90.561,79.565) 90.708,79.418 90.708,78.852 U2.11@92.98,76.58
  GND w0.5: U3.5@88.496,79.565 v1(90.561,79.565)
NetU2_12: U2.12 U3.2 | length 9.8
  GND w0.5: U3.2@88.496,83.375 91.033,83.375 91.483,82.925 93.489,82.925 94.234,82.179 94.234,80.374 U2.12@92.98,79.12
NetU2_13: U2.13 U3.3 | length 4.7
  GND w0.5: U3.3@88.496,82.105 92.264,82.105 92.709,81.66 U2.13@92.98,81.66
NetU4_5: U4.5 U7.1 | length 54.4
  PWR w0.5: U7.1@37.743,89.08 38.186,88.638 38.862,88.638 39.539,87.961 42.772,87.961 44.431,89.62 44.431,94.814 45.325,95.708 65.333,95.708 66.652,94.389 66.652,89.635 68.283,88.004 69.729,88.004 70.464,87.269 70.464,80.384 U4.5@69.21,79.13
NetU4_6: U4.6 U5.6 | length 40.8
  PWR w0.5: v1(55.792,83.91) 55.9,84.017 55.9,90.166 57.18,91.446 62.129,91.446 62.776,92.093 62.776,94.327 63.403,94.954 65.021,94.954 65.898,94.077 65.898,89.323 67.956,87.265 67.956,77.844 U4.6@69.21,76.59
  GND w0.5: v1(55.792,83.91) 55.94,83.763 56.253,83.763 56.926,83.09 U5.6@57.466,83.09
NetU4_7: U4.7 U5.7 | length 34.3
  PWR w0.5: v1(55.839,81.3) 56.931,82.392 56.931,88.745 58.725,90.539 59.669,90.539 60.336,89.872 60.336,88.771 61.103,88.004 62.109,88.004 67.202,82.911 67.202,76.058 U4.7@69.21,74.05
  GND w0.5: v1(55.839,81.3) 55.986,81.447 56.553,81.447 56.926,81.82 U5.7@57.466,81.82
NetU4_9: U4.9 U5.4 | length 17.7
  GND w0.5: U5.4@57.466,85.63 57.515,85.581 58.015,85.581 59.582,84.014 59.582,83.378 60.336,82.624 60.336,78.611 61.087,77.86 62.093,77.86 62.844,77.109 62.844,72.764 U4.9@61.59,71.51
NetU4_10: U4.10 U5.1 | length 18.1
  PWR w0.5: v1(59.197,89.4) 59.197,76.443 U4.10@61.59,74.05
  GND w0.5: U5.1@57.466,89.44 57.486,89.42 59.177,89.42 v1(59.197,89.4)
NetU4_11: U4.11 U5.5 | length 9.9
  GND w0.5: U5.5@57.466,84.36 57.515,84.311 58.015,84.311 58.828,83.498 58.828,79.052 61.099,76.781 61.399,76.781 U4.11@61.59,76.59
NetU4_12: U4.12 U5.2 | length 13.5
  GND w0.5: U5.2@57.466,88.17 57.495,88.141 58.867,88.141 60.336,86.672 60.336,85.729 60.629,85.437 61.043,85.437 61.071,85.464 62.109,85.464 62.844,84.729 62.844,80.384 U4.12@61.59,79.13
NetU4_13: U4.13 U5.3 | length 7.9
  GND w0.5: U5.3@57.466,86.9 59.041,86.9 59.582,86.359 59.582,85.081 60.336,84.327 60.336,83.691 61.399,82.628 61.399,81.861 U4.13@61.59,81.67
NetU7_6: U7.6 U8.6 | length 20.6
  GND w0.5: U8.6@25.568,78.121 26.068,78.121 27.643,76.546 27.643,76.244 27.651,76.236 27.651,74.925 27.643,74.917 27.643,71.327 28.97,70 30.663,70 U7.6@37.053,76.39
NetU7_7: U7.7 U8.7 | length 19.5
  GND w0.5: U8.7@25.568,76.851 25.617,76.802 26.117,76.802 26.843,76.076 26.843,75.978 26.897,75.924 26.897,75.237 26.843,75.183 26.843,71.06 28.658,69.246 32.15,69.246 36.222,73.318 36.251,73.318 36.783,73.85 U7.7@37.053,73.85
NetU7_9: U7.9 U8.4 | length 12.7
  GND w0.5: U8.4@25.568,80.661 28.083,80.661 28.405,80.338 28.405,73.018 U7.9@30.123,71.3
NetU7_10: U7.10 U8.1 | length 18.7
  GND w0.5: 23.943,84.1 24.152,84.1 24.494,84.442 25.54,84.442 U8.1@25.568,84.471 27.999,84.471 28.801,83.668 28.801,83.549 29.604,82.746 31.839,82.746 32.131,82.453 32.131,75.848 U7.10@30.123,73.84
NetU7_11: U7.11 U8.5 | length 5.9
  PWR w0.5: v1(27.234,79.391) 27.234,79.33 30.123,76.441 U7.11@30.123,76.38
  GND w0.5: U8.5@25.568,79.391 v1(27.234,79.391) v1@27.243,79.4
NetU7_12: U7.12 U8.2 | length 7.3
  GND w0.5: U8.2@25.568,83.201 27.451,83.201 28.869,81.782 28.869,80.941 29.159,80.651 29.159,80.077 30.123,79.113 U7.12@30.123,78.92
NetU7_13: U7.13 U8.3 | length 2.7
  GND w0.5: U8.3@25.568,81.931 27.655,81.931 28.115,81.47
NetU9_1: U9.1 U15.1 | length 39.8
  GND w0.5: U9.1@193,89.087 193.186,88.901 196.35,88.901 ; U15.1@193.25,57.917 193.25,57.825 193.275,57.8 195.4,57.8 196.3,58.7 196.3,74.3 196.3,81.2 198.3,83.2 198.3,88.607 198.007,88.9 196.35,88.9
NetU9_6: U9.6 U10.6 | length 25.7
  GND w0.5: U10.6@181,78.067 181.5,78.067 183.083,76.484 183.083,71.83 184.861,70.053 193.519,70.053 194.254,70.787 194.254,75.133 U9.6@193,76.387
NetU9_7: U9.7 U10.7 | length 34.2
  GND w0.5: U10.7@181,76.797 181.5,76.797 182.329,75.968 182.329,71.518 184.548,69.299 193.832,69.299 195.008,70.475 195.008,77.039 194.406,77.641 192.481,77.641 191.746,76.906 191.746,75.101 U9.7@193,73.847
NetU9_9: U9.9 U10.4 | length 11.9
  GND w0.5: U10.4@181,80.607 182.333,80.607 183.372,79.569 183.372,78.095 184.126,77.341 184.126,72.561 U9.9@185.38,71.307
NetU9_10: U9.10 U10.1 | length 18.4
  GND w0.5: 179,84.447 179.029,84.417 ; U10.1@181,84.417 183.313,84.417 184.087,83.643 184.087,83.527 184.861,82.753 187.946,82.753 188.239,82.46 188.239,75.928 186.349,74.038 185.571,74.038 U9.10@185.38,73.847
NetU9_11: U9.11 U10.5 | length 5.6
  PWR w0.5: v1(182.233,79.097) 182.316,79.097 183.254,78.159 183.608,78.159 U9.11@185.38,76.387
  GND w0.5: U10.5@181,79.337 181.029,79.309 181.813,79.309 182.025,79.097 v1(182.233,79.097)
NetU9_12: U9.12 U10.2 | length 7
  GND w0.5: U10.2@181,83.147 182.575,83.147 184.126,81.596 184.126,80.947 185.189,79.885 185.189,79.118 U9.12@185.38,78.927
NetU9_13: U9.13 U10.3 | length 12.4
  GND w0.5: U10.3@181,81.877 182.575,81.877 183.372,81.08 183.372,80.635 184.126,79.881 184.126,78.407 184.861,77.673 185.899,77.673 186.634,78.407 186.634,80.213 U9.13@185.38,81.467
NetU11_6: U11.6 U12.6 | length 26.1
  GND w0.5: U12.6@150.267,78.056 150.767,78.056 152.369,76.454 152.369,71.565 153.942,69.991 154.981,69.991 155.497,70.508 159.025,70.508 159.541,69.991 162.601,69.991 163.335,70.726 163.335,75.071 U11.6@162.081,76.325
NetU11_7: U11.7 U12.7 | length 34
  GND w0.5: U12.7@150.267,76.786 150.767,76.786 151.615,75.938 151.615,71.252 153.63,69.237 155.293,69.237 155.81,69.754 158.712,69.754 159.229,69.237 162.913,69.237 164.089,70.414 164.089,76.091 162.601,77.579 161.562,77.579 160.827,76.845 160.827,75.039 U11.7@162.081,73.785
NetU11_9: U11.9 U12.4 | length 12.6
  GND w0.5: U12.4@150.267,80.596 152.879,80.596 153.171,80.303 153.171,72.535 U11.9@154.461,71.245
NetU11_10: U11.10 U12.1 | length 17.9
  GND w0.5: 148.184,84.424 148.184,84.435 ; U12.1@150.267,84.406 152.512,84.406 153.305,85.199 154.981,85.199 156.469,83.711 156.469,75.793 U11.10@154.461,73.785
NetU11_11: U11.11 U12.5 | length 5.8
  PWR w0.5: v1(152.032,79.326) 152.18,79.179 152.18,78.607 U11.11@154.461,76.325
  GND w0.5: U12.5@150.267,79.326 v1(152.032,79.326) ; U11.11@154.461,76.325 U11.11@154.506,76.28
NetU11_12: U11.12 U12.2 | length 9.5
  GND w0.5: U12.2@150.267,83.136 153.465,83.136 153.942,82.659 154.981,82.659 155.715,81.925 155.715,80.119 U11.12@154.461,78.865
NetU11_13: U11.13 U12.3 | length 4.4
  GND w0.5: U12.3@150.267,81.866 152.269,81.866 152.73,81.405 U11.13@154.461,81.405
NetU13_6: U13.6 U14.6 | length 23.1
  PWR w0.5: v1(119.305,76.205) 119.461,76.205 122.871,72.796 124.908,72.796 128.702,76.59 U13.6@131.01,76.59
  GND w0.254: v1(119.305,76.205) 119.305,77.095 118.9,77.5 118.9,82.27 119.725,83.095 U14.6@120.225,83.095
  GND w0.5: U14.6@120.225,83.095 U14.6@120.725,83.095
NetU13_7: U13.7 U14.7 | length 16.7
  GND w0.5: U14.7@120.225,81.825 120.725,81.825 121.554,80.996 121.554,80.134 121.382,79.962 121.382,76.825 122.871,75.336 129.724,75.336 U13.7@131.01,74.05
NetU13_9: U13.9 U14.4 | length 19.5
  GND w0.5: U14.4@120.225,85.635 118.635,85.635 118.166,85.166 118.166,75.734 119.096,74.804 121.613,74.804 122.136,74.281 122.136,73.531 122.89,72.777 122.89,72.281 123.39,71.781 U13.9@123.39,71.51
NetU13_10: U13.10 U14.1 | length 21.5
  PWR w0.5: v1(121.6,90.261) 121.747,90.408 122.735,90.408 122.871,90.544 123.909,90.544 124.644,89.809 124.644,75.304 U13.10@123.39,74.05
  GND w0.5: U14.1@120.225,89.445 120.754,89.445 121.57,90.261 v1(121.6,90.261)
NetU13_11: U13.11 U14.5 | length 13.6
  GND w0.5: U14.5@120.225,84.365 120.23,84.36 121.843,84.36 122.136,84.067 122.136,83.691 122.871,82.956 123.909,82.956 123.937,82.983 124.351,82.983 124.644,82.691 124.644,81.151 123.909,80.416 122.932,80.416 122.9,80.384 122.871,80.384 122.136,79.649 122.136,77.844 U13.11@123.39,76.59
NetU13_12: U13.12 U14.2 | length 14.4
  GND w0.5: U14.2@120.225,88.175 121.786,88.175 122.079,87.882 122.079,86.287 122.871,85.496 125.105,85.496 125.398,85.203 125.398,80.838 124.222,79.662 124.193,79.662 123.661,79.13 U13.12@123.39,79.13
NetU13_13: U13.13 U14.3 | length 16.6
  PWR w0.5: v1(118.2,87.6) 116.07,85.47 116.07,81.963 116.465,81.568 123.288,81.568 U13.13@123.39,81.67
  GND w0.5: v1(118.2,87.6) 118.895,86.905 U14.3@120.225,86.905 ; U13.13@123.119,81.67 U13.13@123.39,81.67
Q: "MODE SW.6" Q2.1 R73.2 R74.2 | length 132.1
  PWR w0.5: 19.1,69.546 36.658,69.546 36.98,69.224 61.166,69.224 66.444,63.946 86.224,63.946 86.372,64.094 106.404,64.094 112.282,58.216 128.617,58.216 129.284,58.883 129.284,59.827 127.485,61.626 122.311,61.626 120.512,63.425 Q2.1@120.512,64.7
  GND w0.5: Q2.1@120.512,64.7 121.012,65.2 R74.2@123.197,65.2 R73.2@123.197,66.654
Qn: C4.1 Q1.1 R72.2 R75.1 | length 78.9
  PWR w0.5: Q1.1@120.5,60.5 120.225,60.775 120.225,60.96 119.346,61.839 115.166,61.839 114.6,62.405 114.6,67.707 114.893,68 117.6,68 119,69.4 163.507,69.4 163.8,69.693 163.8,71.507 164.093,71.8 v1(166.6,71.8)
  GND w0.5: Q1.1@120.5,60.5 122.35,60.5 123.25,59.6 R75.1@123.25,59.5 R72.2@123.25,57.9 ; C4.1@166.562,65.887 166.687,66.012 166.687,66.087 167.293,66.694 167.315,66.694 167.669,67.047 167.669,71.324 167.341,71.653 166.747,71.653 v1(166.6,71.8)
R: D2.3 R77.1 | length 8.8
  GND w0.5: R77.1@124.75,61.7 127.689,61.7 130.289,59.1 D2.3@132.473,59.1
S: D1.3 R76.1 | length 8.8
  GND w0.5: R76.1@124.75,63.2 124.75,63.3 126.95,65.5 129.073,65.5 D1.3@132.5,65.5
pads on no net: D1.2 D5.2 D6.2 D9.2 D14.2 DISP1.8 DISP2.8 U1.1 U1.5 U1.6 U1.7 U1.9 U1.10 U1.11 U1.12 U2.4 U2.14 U3.9 U4.4 U4.14 U5.9 U6.1 U6.2 U6.3 U6.4 U6.6 U6.7 U6.9 U6.10 U6.11 U6.12 U7.4 U7.5 U7.14 U8.9 U9.4 U9.14 U10.9 U11.4 U11.14 U12.9 U13.4 U13.14 U14.9 U15.2 U15.3 U15.4 U15.5 U15.6 U15.7 U15.9 U15.13 U15.14 U15.15 U16.13 U16.14

## Silkscreen, mask and mechanical layers (free items; w line width, h text height)
Bottom Overlay:
  lines w0.254: 74.8,98.8 75,99 106.8,99 ; 78.1,55.1 136.7,55.1 ; 78.1,55.1 78.1,69.9 78.6,69.9 92.625,69.9 93.8,69.9 100.538,69.9 115.163,69.9 122.475,69.9 136.7,69.9 ; 78.1,55.1 76.7,53.7 70.9,53.7 69.1,55.5 69,55.5 44.6,55.5 44.6,69.7 27.6,69.7 27.4,69.9 25.1,69.9 23.3,71.7 22.9,72.1 12.5,72.1 12.5,74.6 12.5,98.8 12.7,99 44.6,99 106.8,99 ; 106.8,99 137.1,99 ; 136.7,55.1 136.7,69.9 ; 136.7,55.1 137.2,55.1 137.5,54.8 159.2,54.8 159.2,53.9 161.3,51.8 170.7,51.8 171.2,51.8 171.4,52 171.4,69.7 ; 136.7,69.9 137.3,69.9 143.7,69.9 144.5,70.7 147,70.7 147.9,69.8 150.7,69.8 163.3,69.8 163.3,74.2 169,74.2 169.9,73.3 169.9,71.1 169.9,69.7 171.4,69.7 ; 137.1,99 137,98.9 137.1,99 ; 137.1,99 168.1,99 199.3,99 199.6,98.7 199.6,69.7 196.8,69.7 ; 171.4,69.7 190.6,69.7 196.8,69.7 ; 171.4,69.7 171.4,55 171.5,54.9 196.8,54.9 196.8,69.7
  text "60rst" at 75.046,75.054 h1
  text "-" at 0.754,64.754 h1
  text "+" at 0.754,61.787 h1
Bottom Component Center:

## Text inside footprints (layer, text, board x,y; h text height)
DISP1: Top Overlay "1" at 176.9,52.123 h1; Top Overlay "6" at 190.16,92.093 h1; Top Overlay "RDP" at 193.947,58.57 h1; Top Overlay "7 Segment LED 1.5\"" at 171.079,52.103 h1 r90
DISP2: Top Overlay "1" at 145.755,52.144 h1; Top Overlay "6" at 159.015,92.114 h1; Top Overlay "RDP" at 162.802,58.591 h1; Top Overlay "7 Segment LED 1.5\"" at 139.934,52.124 h1 r90
DISP3: Top Overlay "RDP" at 110.446,89.846 h1 r180; Top Overlay "7 Segment LED 1.5\"" at 133.987,92.746 h1 r270; Top Overlay "6" at 114.924,54.256 h1 r180; Top Overlay "1" at 128.184,94.226 h1 r180
DISP4: Top Overlay "1" at 83.484,52.174 h1; Top Overlay "6" at 96.744,92.144 h1; Top Overlay "RDP" at 100.534,58.624 h1; Top Overlay "7 Segment LED 1.5\"" at 77.663,52.154 h1 r90
DISP5: Top Overlay "7 Segment LED 1.5\"" at 71.887,85.946 h1 r270; Top Overlay "RDP" at 49.546,90.446 h1 r180; Top Overlay "6" at 52.668,54.256 h1 r180; Top Overlay "1" at 65.928,94.226 h1 r180
DISP6: Top Overlay "1" at 21.224,52.174 h1; Top Overlay "6" at 34.484,92.144 h1; Top Overlay "RDP" at 36.554,66.854 h1; Top Overlay "7 Segment LED 1.5\"" at 15.403,52.154 h1 r90